# Allegro board 038NC-GRIFFI-V9A_16_20260429.brd (continued)
## Placement (name value [footprint] x y rotation side) (continued)
NOREF#1813  -  []  195.3 82.65 0 top
NOREF#1814  -  []  207.36 268.69 0 top
NOREF#1815  -  []  188.31 138.32 90 top
NOREF#1816  -  []  120.84 164.9 90 top
NOREF#1817  -  []  223.01 240.57 90 top
NOREF#1818  -  []  218.86 139.12 0 top
NOREF#1819  -  []  240.18 205.86 90 top
NOREF#1820  -  []  46.47 173.3 0 top
NOREF#1821  -  []  207.95 83.81 0 top
NOREF#1822  -  []  16.47 225.98 0 top
NOREF#1823  -  []  196.47 288.14 90 top
NOREF#1824  -  []  183.43 240.62 90 top
NOREF#1825  -  []  150.84 300.88 90 top
NOREF#1826  -  []  202.98 286.49 0 top
NOREF#1827  -  []  241.39 171.1 90 top
NOREF#1828  -  []  94.59 185.73 90 top
NOREF#1829  -  []  16.47 301.68 90 top
NOREF#1830  -  []  64.59 183.53 90 top
NOREF#1831  -  []  87.13 165.7 90 top
NOREF#1832  -  []  158.86 173.3 0 top
NOREF#1833  -  []  217.55 203.78 0 top
NOREF#1834  -  []  202.98 188.49 0 top
NOREF#1835  -  []  55.7 258.99 90 top
NOREF#1836  -  []  16.15 123.41 90 top
NOREF#1837  -  []  194.98 283.99 0 top
NOREF#1838  -  []  252.06 167.9 90 top
NOREF#1839  -  []  166.47 290.34 90 top
NOREF#1840  -  []  44.4 120.65 0 top
NOREF#1841  -  []  136.47 188.93 0 top
NOREF#1842  -  []  33.99 389.27 90 top
NOREF#1843  -  []  213.43 300.03 90 top
NOREF#1844  -  []  145.97 179.68 90 top
NOREF#1845  -  []  239.38 269.51 0 top
NOREF#1846  -  []  35.02 225.18 0 top
NOREF#1847  -  []  104.84 106.81 0 top
NOREF#1848  -  []  207.41 300.88 0 top
NOREF#1849  -  []  235.94 234.38 0 top
NOREF#1850  -  []  120.34 206.14 90 top
NOREF#1851  -  []  38.86 142.32 90 top
NOREF#1852  -  []  233.93 231.38 90 top
NOREF#1853  -  []  91.4 307.08 90 top
NOREF#1854  -  []  218.86 292.54 0 top
NOREF#1855  -  []  0 0 90 top
NOREF#1856  -  []  117.13 301.68 90 top
NOREF#1857  -  []  93.41 189.73 0 top
NOREF#1858  -  []  118.37 267.15 315 top
NOREF#1859  -  []  16.47 225.98 90 top
NOREF#1860  -  []  63.61 203.06 0 top
NOREF#1861  -  []  72.06 230.38 90 top
NOREF#1862  -  []  140.43 396.29 0 top
NOREF#1863  -  []  162.06 167.9 90 top
NOREF#1864  -  []  57.82 107.19 0 top
NOREF#1865  -  []  237.41 300.88 0 top
NOREF#1866  -  []  202.56 389.27 90 top
NOREF#1867  -  []  57.36 208.69 0 top
NOREF#1868  -  []  57.13 185.73 90 top
NOREF#1869  -  []  158.86 139.12 90 top
NOREF#1870  -  []  178.44 389.27 90 top
NOREF#1871  -  []  80.48 270.77 0 top
NOREF#1872  -  []  164.56 456.29 90 top
NOREF#1873  -  []  34.6 287.14 90 top
NOREF#1874  -  []  28.53 240.62 90 top
NOREF#1875  -  []  164.98 281.49 90 top
NOREF#1876  -  []  93.43 240.62 90 top
NOREF#1877  -  []  90.84 164.9 90 top
NOREF#1878  -  []  158.86 292.54 0 top
NOREF#1879  -  []  237.13 167.9 90 top
NOREF#1880  -  []  49.67 170.1 90 top
NOREF#1881  -  []  139.67 328.26 90 top
NOREF#1882  -  []  137.21 143.34 90 top
NOREF#1883  -  []  57.13 246.67 90 top
NOREF#1884  -  []  222.06 230.38 90 top
NOREF#1885  -  []  91.4 171.1 90 top
NOREF#1886  -  []  104.84 117.35 0 top
NOREF#1887  -  []  175.8 18.69 90 top
NOREF#1888  -  []  173.93 249.87 0 top
NOREF#1889  -  []  240.84 300.88 90 top
NOREF#1890  -  []  107.99 278.49 0 top
NOREF#1891  -  []  95.02 225.18 0 top
NOREF#1892  -  []  44.99 253.49 90 top
NOREF#1893  -  []  45.06 267.06 90 top
NOREF#1894  -  []  253.01 240.57 90 top
NOREF#1895  -  []  104.99 193.49 90 top
NOREF#1896  -  []  33.26 105.11 0 top
NOREF#1897  -  []  167.21 143.34 90 top
NOREF#1898  -  []  39.04 16.49 0 top
NOREF#1899  -  []  252.06 181.33 90 top
NOREF#1900  -  []  134.98 281.49 90 top
NOREF#1901  -  []  196.47 173.3 0 top
NOREF#1902  -  []  68.39 193.49 45 top
NOREF#1903  -  []  248.39 193.49 45 top
NOREF#1904  -  []  106.47 284.94 0 top
NOREF#1905  -  []  3.61 203.06 0 top
NOREF#1906  -  []  71.02 250.67 0 top
NOREF#1907  -  []  183.61 263.06 0 top
NOREF#1908  -  []  124.59 181.33 90 top
NOREF#1909  -  []  170.73 275.74 0 top
NOREF#1910  -  []  31.4 301.68 0 top
NOREF#1911  -  []  42.06 287.14 90 top
NOREF#1912  -  []  139.67 246.67 90 top
NOREF#1913  -  []  218.86 249.87 0 top
NOREF#1914  -  []  123.43 300.03 90 top
NOREF#1915  -  []  120.67 176.51 90 top
NOREF#1916  -  []  154.31 14.59 90 top
NOREF#1917  -  []  93.41 250.67 0 top
NOREF#1918  -  []  205.97 164.05 90 top
NOREF#1919  -  []  220.89 179.68 90 top
NOREF#1920  -  []  30 300.03 0 top
NOREF#1921  -  []  185.02 300.88 0 top
NOREF#1922  -  []  226.47 188.93 0 top
NOREF#1923  -  []  205.97 179.68 90 top
NOREF#1924  -  []  242.56 17.15 90 top
NOREF#1925  -  []  169.67 183.53 90 top
NOREF#1926  -  []  74.65 82.65 0 top
NOREF#1927  -  []  40.9 237.58 90 top
NOREF#1928  -  []  180.33 266.14 90 top
NOREF#1929  -  []  213.41 293.34 0 top
NOREF#1930  -  []  151.39 171.1 90 top
NOREF#1931  -  []  89.32 208.11 315 top
NOREF#1932  -  []  218.86 173.3 0 top
NOREF#1933  -  []  80.48 210.77 0 top
NOREF#1934  -  []  195.92 284.14 90 top
NOREF#1935  -  []  199.67 185.73 90 top
NOREF#1936  -  []  34.6 284.94 90 top
NOREF#1937  -  []  233.93 225.98 90 top
NOREF#1938  -  []  94.22 115.65 0 top
NOREF#1939  -  []  203.93 173.3 0 top
NOREF#1940  -  []  130.89 179.68 90 top
NOREF#1941  -  []  106.47 231.38 90 top
NOREF#1942  -  []  38.86 173.3 0 top
NOREF#1943  -  []  205.97 240.62 90 top
NOREF#1944  -  []  48.54 392.33 90 top
NOREF#1945  -  []  104.99 283.99 0 top
NOREF#1946  -  []  46.47 225.98 90 top
NOREF#1947  -  []  58.12 389.27 90 top
NOREF#1948  -  []  60.84 164.9 90 top
NOREF#1949  -  []  123.41 174.1 0 top
NOREF#1950  -  []  37.24 259.24 90 top
NOREF#1951  -  []  166.47 301.68 90 top
NOREF#1952  -  []  196.47 229.18 90 top
NOREF#1953  -  []  137.98 196.49 90 top
NOREF#1954  -  []  165.06 267.06 90 top
NOREF#1955  -  []  105.36 110.11 0 top
NOREF#1956  -  []  213.43 164.05 90 top
NOREF#1957  -  []  59.32 208.11 315 top
NOREF#1958  -  []  105.06 263.86 90 top
NOREF#1959  -  []  181.01 206.69 90 top
NOREF#1960  -  []  241.39 292.54 0 top
NOREF#1961  -  []  46.47 335.86 0 top
NOREF#1962  -  []  19.67 167.9 90 top
NOREF#1963  -  []  173.93 188.93 0 top
NOREF#1964  -  []  57.82 107.84 0 top
NOREF#1965  -  []  135.06 263.86 90 top
NOREF#1966  -  []  147.13 301.68 90 top
NOREF#1967  -  []  180.18 205.47 90 top
NOREF#1968  -  []  78.36 179.68 90 top
NOREF#1969  -  []  226.47 225.98 90 top
NOREF#1970  -  []  112.99 226.49 0 top
NOREF#1971  -  []  132.06 181.33 90 top
NOREF#1972  -  []  61.4 292.54 0 top
NOREF#1973  -  []  72.06 167.9 90 top
NOREF#1974  -  []  50.74 215.74 0 top
NOREF#1975  -  []  67.24 199.24 90 top
NOREF#1976  -  []  77.99 278.49 0 top
NOREF#1977  -  []  121.39 165.7 90 top
NOREF#1978  -  []  199.67 167.9 90 top
NOREF#1979  -  []  79.28 18.69 90 top
NOREF#1980  -  []  211.68 19.69 90 top
NOREF#1981  -  []  88.35 267.84 315 top
NOREF#1982  -  []  42.61 174.1 0 top
NOREF#1983  -  []  121.91 17.2 0 top
NOREF#1984  -  []  43.91 456.29 0 top
NOREF#1985  -  []  198.48 174.1 0 top
NOREF#1986  -  []  175.88 237.76 90 top
NOREF#1987  -  []  187.23 199.24 90 top
NOREF#1988  -  []  248.86 301.68 90 top
NOREF#1989  -  []  238.65 206.87 45 top
NOREF#1990  -  []  217.45 392.33 90 top
NOREF#1991  -  []  252.06 244.47 90 top
NOREF#1992  -  []  209.32 268.11 315 top
NOREF#1993  -  []  132.48 225.18 0 top
NOREF#1994  -  []  56.96 268.69 0 top
NOREF#1995  -  []  14.99 281.49 90 top
NOREF#1996  -  []  128.73 110.11 90 top
NOREF#1997  -  []  109.67 170.1 90 top
NOREF#1998  -  []  102.06 225.98 90 top
NOREF#1999  -  []  132.06 289.34 90 top
NOREF#2000  -  []  135.06 267.06 90 top
NOREF#2001  -  []  136.47 304.88 90 top
NOREF#2002  -  []  230.48 210.77 0 top
NOREF#2003  -  []  202.98 226.49 0 top
NOREF#2004  -  []  154.59 246.67 90 top
NOREF#2005  -  []  75.56 104.96 90 top
NOREF#2006  -  []  57.79 209.51 0 top
NOREF#2007  -  []  180.33 206.14 90 top
NOREF#2008  -  []  148.35 267.84 45 top
NOREF#2009  -  []  220.89 240.62 90 top
NOREF#2010  -  []  162.06 244.47 90 top
NOREF#2011  -  []  121.91 17.2 90 top
NOREF#2012  -  []  226.47 249.87 0 top
NOREF#2013  -  []  48.48 174.1 0 top
NOREF#2014  -  []  237.41 138.32 0 top
NOREF#2015  -  []  135.92 300.88 90 top
NOREF#2016  -  []  165.92 225.18 90 top
NOREF#2017  -  []  188.86 173.3 0 top
NOREF#2018  -  []  16.47 188.93 0 top
NOREF#2019  -  []  61.01 206.69 90 top
NOREF#2020  -  []  175.97 164.05 90 top
NOREF#2021  -  []  118.35 267.84 315 top
NOREF#2022  -  []  93.61 263.06 0 top
NOREF#2023  -  []  252.06 242.27 90 top
NOREF#2024  -  []  207.13 244.47 90 top
NOREF#2025  -  []  30.65 236.45 90 top
NOREF#2026  -  []  100.89 224.33 90 top
NOREF#2027  -  []  117.13 181.33 90 top
NOREF#2028  -  []  226.47 173.3 0 top
NOREF#2029  -  []  250.89 239.1 90 top
NOREF#2030  -  []  75.06 207.06 90 top
NOREF#2031  -  []  184.59 230.38 90 top
NOREF#2032  -  []  151.39 165.7 0 top
NOREF#2033  -  []  241.39 165.7 0 top
NOREF#2034  -  []  175.97 179.68 90 top
NOREF#2035  -  []  14.99 283.99 0 top
NOREF#2036  -  []  155.02 300.88 0 top
NOREF#2037  -  []  85.7 258.99 90 top
NOREF#2038  -  []  91.4 301.68 90 top
NOREF#2039  -  []  177.13 246.67 90 top
NOREF#2040  -  []  199.67 170.1 90 top
NOREF#2041  -  []  248.66 177.76 90 top
NOREF#2042  -  []  70.9 239.1 90 top
NOREF#2043  -  []  202.88 14.59 90 top
NOREF#2044  -  []  105.92 284.14 90 top
NOREF#2045  -  []  173.93 229.18 90 top
NOREF#2046  -  []  77.99 256.49 90 top
NOREF#2047  -  []  147.41 138.32 0 top
NOREF#2048  -  []  227.98 196.49 90 top
NOREF#2049  -  []  64.59 246.67 90 top
NOREF#2050  -  []  48.48 189.73 0 top
NOREF#2051  -  []  43.81 238.87 0 top
NOREF#2052  -  []  164.98 283.99 0 top
NOREF#2053  -  []  74.99 250.99 90 top
NOREF#2054  -  []  58.35 267.84 315 top
NOREF#2055  -  []  162.66 107.36 0 top
NOREF#2056  -  []  168.36 164.05 90 top
NOREF#2057  -  []  184.59 183.53 90 top
NOREF#2058  -  []  225.06 267.06 90 top
NOREF#2059  -  []  22.99 188.49 90 top
NOREF#2060  -  []  61.4 171.1 90 top
NOREF#2061  -  []  36 240.62 90 top
NOREF#2062  -  []  147.13 303.88 90 top
NOREF#2063  -  []  104.84 106.81 90 top
NOREF#2064  -  []  226.47 301.68 90 top
NOREF#2065  -  []  211.01 206.29 90 top
NOREF#2066  -  []  60.34 266.14 90 top
NOREF#2067  -  []  79.28 18.69 0 top
NOREF#2068  -  []  224.06 18.69 90 top
NOREF#2069  -  []  247.23 259.24 90 top
NOREF#2070  -  []  125.02 300.88 0 top
NOREF#2071  -  []  27.64 268.84 0 top
NOREF#2072  -  []  72.06 170.1 90 top
NOREF#2073  -  []  135.58 458.49 0 top
NOREF#2074  -  []  81.92 389.27 90 top
NOREF#2075  -  []  115.97 179.68 90 top
NOREF#2076  -  []  64.59 289.34 90 top
NOREF#2077  -  []  235.97 326.61 90 top
NOREF#2078  -  []  23.93 229.18 90 top
NOREF#2079  -  []  172.98 286.49 0 top
NOREF#2080  -  []  50.49 270.77 0 top
NOREF#2081  -  []  13.66 262.21 0 top
NOREF#2082  -  []  58.12 106.87 0 top
NOREF#2083  -  []  72.06 287.14 90 top
NOREF#2084  -  []  42.06 289.34 90 top
NOREF#2085  -  []  55.97 164.05 90 top
NOREF#2086  -  []  192.06 244.47 90 top
NOREF#2087  -  []  153.43 179.68 90 top
NOREF#2088  -  []  218.86 301.68 90 top
NOREF#2089  -  []  121.39 301.68 0 top
NOREF#2090  -  []  171.17 82.65 0 top
NOREF#2091  -  []  68.66 177.76 90 top
NOREF#2092  -  []  49.67 328.26 90 top
NOREF#2093  -  []  108.36 179.68 90 top
NOREF#2094  -  []  119.32 208.11 315 top
NOREF#2095  -  []  57.64 268.84 0 top
NOREF#2096  -  []  184.59 225.98 90 top
NOREF#2097  -  []  192.06 167.9 90 top
NOREF#2098  -  []  76.47 304.88 90 top
NOREF#2099  -  []  178.35 267.84 315 top
NOREF#2100  -  []  108.36 164.05 90 top
NOREF#2101  -  []  211.39 304.88 90 top
NOREF#2102  -  []  132.06 287.14 90 top
NOREF#2103  -  []  42.06 170.1 90 top
NOREF#2104  -  []  49.67 330.46 90 top
NOREF#2105  -  []  139.67 167.9 90 top
NOREF#2106  -  []  224.98 281.49 90 top
NOREF#2107  -  []  214.59 289.34 90 top
NOREF#2108  -  []  145.94 189.73 0 top
NOREF#2109  -  []  31.4 301.68 90 top
NOREF#2110  -  []  92.17 456.29 90 top
NOREF#2111  -  []  70.89 179.68 90 top
NOREF#2112  -  []  49.52 17.15 90 top
NOREF#2113  -  []  175.94 189.73 0 top
NOREF#2114  -  []  224.98 223.99 0 top
NOREF#2115  -  []  138.36 179.68 90 top
NOREF#2116  -  []  46.47 284.94 0 top
NOREF#2117  -  []  118.65 206.87 45 top
NOREF#2118  -  []  222.06 225.98 90 top
NOREF#2119  -  []  49.67 183.53 90 top
NOREF#2120  -  []  92.16 20.69 90 top
NOREF#2121  -  []  71.03 112.93 0 top
NOREF#2122  -  []  229.67 185.73 90 top
NOREF#2123  -  []  117.13 246.67 90 top
NOREF#2124  -  []  225.06 203.86 90 top
NOREF#2125  -  []  218.86 144.52 90 top
NOREF#2126  -  []  127.53 113.67 0 top
NOREF#2127  -  []  103.01 240.57 90 top
NOREF#2128  -  []  61.4 165.7 0 top
NOREF#2129  -  []  149.43 456.29 0 top
NOREF#2130  -  []  188.69 456.29 0 top
NOREF#2131  -  []  66.45 115.65 0 top
NOREF#2132  -  []  60.34 206.14 90 top
NOREF#2133  -  []  162.06 246.67 90 top
NOREF#2134  -  []  217.36 333.84 90 top
NOREF#2135  -  []  76.47 284.94 0 top
NOREF#2136  -  []  91.16 295.41 90 top
NOREF#2137  -  []  166.47 307.08 90 top
NOREF#2138  -  []  143.38 225.18 90 top
NOREF#2139  -  []  151.39 165.7 90 top
NOREF#2140  -  []  109.67 181.33 90 top
NOREF#2141  -  []  142.98 248.49 0 top
NOREF#2142  -  []  33.43 179.68 90 top
NOREF#2143  -  []  150.18 265.47 90 top
NOREF#2144  -  []  248.31 300.88 90 top
NOREF#2145  -  []  240.33 266.14 90 top
NOREF#2146  -  []  115.88 237.76 90 top
NOREF#2147  -  []  68.86 144.52 90 top
NOREF#2148  -  []  20.49 210.77 0 top
NOREF#2149  -  []  83.93 288.14 90 top
NOREF#2150  -  []  192.38 113.28 90 top
NOREF#2151  -  []  202.98 188.49 90 top
NOREF#2152  -  []  153.43 240.62 90 top
NOREF#2153  -  []  195.06 267.06 90 top
NOREF#2154  -  []  25.39 17.15 0 top
NOREF#2155  -  []  113.93 188.93 0 top
NOREF#2156  -  []  198.48 250.67 0 top
NOREF#2157  -  []  127.23 259.24 90 top
NOREF#2158  -  []  41.02 250.67 0 top
NOREF#2159  -  []  177.13 244.47 90 top
NOREF#2160  -  []  63.18 16.49 0 top
NOREF#2161  -  []  97.78 17.2 0 top
NOREF#2162  -  []  130.89 283.29 90 top
NOREF#2163  -  []  88.37 267.15 315 top
NOREF#2164  -  []  131.02 189.73 0 top
NOREF#2165  -  []  166.47 304.88 90 top
NOREF#2166  -  []  188.39 193.49 45 top
NOREF#2167  -  []  195.06 207.06 90 top
NOREF#2168  -  []  160.9 239.1 90 top
NOREF#2169  -  []  79.94 300.88 0 top
NOREF#2170  -  []  22.99 248.49 0 top
NOREF#2171  -  []  76.47 284.94 90 top
NOREF#2172  -  []  83.93 173.3 0 top
NOREF#2173  -  []  72.06 246.67 90 top
NOREF#2174  -  []  178.35 267.84 45 top
NOREF#2175  -  []  165.06 207.06 90 top
NOREF#2176  -  []  34.6 246.67 90 top
NOREF#2177  -  []  68.39 253.49 45 top
NOREF#2178  -  []  31.4 171.1 90 top
NOREF#2179  -  []  17.53 452.29 90 top
NOREF#2180  -  []  241.01 266.69 90 top
NOREF#2181  -  []  237.36 268.69 0 top
NOREF#2182  -  []  124.59 183.53 90 top
NOREF#2183  -  []  75.06 203.86 0 top
NOREF#2184  -  []  162.06 181.33 90 top
NOREF#2185  -  []  68.86 139.12 0 top
NOREF#2186  -  []  241.39 301.68 0 top
NOREF#2187  -  []  132.06 246.67 90 top
NOREF#2188  -  []  181.39 301.68 0 top
NOREF#2189  -  []  115.94 234.38 0 top
NOREF#2190  -  []  237.13 165.7 90 top
NOREF#2191  -  []  143.93 284.94 90 top
NOREF#2192  -  []  202.98 248.49 90 top
NOREF#2193  -  []  101.02 189.73 0 top
NOREF#2194  -  []  31.01 266.29 90 top
NOREF#2195  -  []  142.98 188.49 90 top
NOREF#2196  -  []  208.35 267.84 45 top
NOREF#2197  -  []  241.16 295.41 90 top
NOREF#2198  -  []  53.38 284.14 90 top
NOREF#2199  -  []  207.78 269.51 0 top
NOREF#2200  -  []  149.39 209.51 0 top
NOREF#2201  -  []  248.86 307.08 90 top
NOREF#2202  -  []  222.06 242.27 90 top
NOREF#2203  -  []  203.93 290.34 90 top
NOREF#2204  -  []  236.95 396.29 0 top
NOREF#2205  -  []  252.06 228.18 90 top
NPM1212-GRIFFI  REF-CODE-CHIP  [CHIP_CODE]  129.78 486.39 0 top
NPM1212-QFN28-P0.4  REF-CODE-CHIP  [CHIP_CODE]  130.39 486.39 0 top
R7  20K-1-S2  [R0201]  58.42 108.17 0 bottom
R8  20K-1-S2  [R0201]  58.42 107.52 0 bottom
R9  20K-1-S2  [R0201]  58.42 106.22 0 bottom
R10  20K-1-S2  [R0201]  58.42 106.87 0 bottom
R21  10K-1-S4  [R0402]  126.36 108.34 90 bottom
R22  0-1-S4-YA  [R0402]  125.14 112.15 270 bottom
R23  0-1-S4-YA  [R0402]  125.01 108.34 270 bottom
R24  0-1-S4-YA  [R0402]  125.86 110.11 180 bottom
R376  118-1-S2-YA  [R0201]  173.06 106.73 0 bottom
R378  365-1-S4  [R0402]  186.82 105.63 180 bottom
R381  750-1-S4  [R0402]  172.86 105.74 180 bottom
R382  75-1-S4  [R0402]  172.86 104.32 0 bottom
R383  121-1-S4  [R0402]  186.82 106.94 0 bottom
REG1_P3V3  TP01  [TP_040_T]  75.57 101.6 0 top
REG1_P_5V  TP01  [TP_040_T]  197.21 118.36 0 top
REG1_P_10V  TP01  [TP_040_T]  162.85 118.34 0 top
RLY_5V1  LDG-2-S8  [LED_0805]  27.31 126.05 90 top
SDUP5V1  TP01  [TP_040_T]  85.73 112.86 270 top
SDUP15V1  TP01  [TP_040_T]  156.86 119.76 0 top
SITE1  NPM1212-QFN28-P0.4  [SK_QFN4X4_56P_0P4MM_GRIFFI]  28.99 267.49 0 top
SITE2  NPM1212-QFN28-P0.4  [SK_QFN4X4_56P_0P4MM_GRIFFI]  28.99 207.49 0 top
SITE3  NPM1212-QFN28-P0.4  [SK_QFN4X4_56P_0P4MM_GRIFFI]  58.99 267.49 0 top
SITE4  NPM1212-QFN28-P0.4  [SK_QFN4X4_56P_0P4MM_GRIFFI]  58.99 207.49 0 top
SITE5  NPM1212-QFN28-P0.4  [SK_QFN4X4_56P_0P4MM_GRIFFI]  88.99 267.49 0 top
SITE6  NPM1212-QFN28-P0.4  [SK_QFN4X4_56P_0P4MM_GRIFFI]  88.99 207.49 0 top
SITE7  NPM1212-QFN28-P0.4  [SK_QFN4X4_56P_0P4MM_GRIFFI]  118.99 267.49 0 top
SITE8  NPM1212-QFN28-P0.4  [SK_QFN4X4_56P_0P4MM_GRIFFI]  118.99 207.49 0 top
SITE9  NPM1212-QFN28-P0.4  [SK_QFN4X4_56P_0P4MM_GRIFFI]  148.98 267.49 0 top
SITE10  NPM1212-QFN28-P0.4  [SK_QFN4X4_56P_0P4MM_GRIFFI]  148.98 207.49 0 top
SITE11  NPM1212-QFN28-P0.4  [SK_QFN4X4_56P_0P4MM_GRIFFI]  178.98 267.49 0 top
SITE12  NPM1212-QFN28-P0.4  [SK_QFN4X4_56P_0P4MM_GRIFFI]  178.98 207.49 0 top
SITE13  NPM1212-QFN28-P0.4  [SK_QFN4X4_56P_0P4MM_GRIFFI]  208.98 267.49 0 top
SITE14  NPM1212-QFN28-P0.4  [SK_QFN4X4_56P_0P4MM_GRIFFI]  208.98 207.49 0 top
SITE15  NPM1212-QFN28-P0.4  [SK_QFN4X4_56P_0P4MM_GRIFFI]  238.98 267.49 0 top
SITE16  NPM1212-QFN28-P0.4  [SK_QFN4X4_56P_0P4MM_GRIFFI]  238.98 207.49 0 top
SLOT0  DIAMONDX_SLOT0_SDU2  [PG_LTXDX_F_X1_SDU2_SL00_V3]  133.99 237.49 0 top
SLOT1  DIAMONDX_X1_DUT  [PG_LTXDX_F_X1_PG400ND_SL01_V3]  133.99 237.49 0 top
SLOT2  DIAMONDX_X1_DUT  [PG_LTXDX_F_X1_PG400ND_SL02_V3]  133.99 237.49 0 top
SLOT3  DIAMONDX_SLOT3_GX1X  [PG_LTXDX_F_X1_GX1X_SL03_V2]  133.99 237.49 0 top
SLOT4  DIAMONDX_SLOT4_GX1X  [PG_LTXDX_F_X1_GX1X_SL04]  133.99 237.49 0 top
SLOT5  DIAMONDX_X1_DUT  [PG_LTXDX_F_X1_PG400ND_SL05_V3]  133.99 237.49 0 top
SLOT6  DIAMONDX_SLOT6_PMVIX  [PG_LTXDX_F_X1_PMVIX_SL06]  133.99 237.49 0 top
SLOT7  DIAMONDX_SLOT7_PMVIX  [PG_LTXDX_F_X1_PMVIX_SL07]  133.99 237.49 0 top
SLOT8  DIAMONDX_SLOT8_PMVIX  [PG_LTXDX_F_X1_PMVIX_SL08]  133.99 237.49 0 top
SLOT9  DIAMONDX_SLOT9_PMVIX  [PG_LTXDX_F_X1_PMVIX_SL09]  133.99 237.49 0 top
SLOT10  DIAMONDX_SLOT10_HDVI  [PG_LTXDX_F_X1_HDVI_SL10_V3]  133.99 237.49 0 top
SLOT11  DIAMONDX_X1_DUT  [PG_LTXDX_F_X1_PG400ND_SL11_V3]  133.99 237.49 0 top
SLOT12  DIAMONDX_X1_DUT  [PG_LTXDX_F_X1_PG400ND_SL12_V3]  133.99 237.49 0 top
SLOT13  DIAMONDX_SLOT13_HDVI  [PG_LTXDX_F_X1_HDVI_SL13_V3]  133.99 237.49 0 top
SLOT14  DIAMONDX_X1_DUT  [PG_LTXDX_F_X1_PG400ND_SL14_V3]  133.99 237.49 0 top
SLOT15  DIAMONDX_X1_DUT  [PG_LTXDX_F_X1_PG400ND_SL15_V3]  133.99 237.49 0 top
SLOT16  DIAMONDX_X1_DUT  [PG_LTXDX_F_X1_PG400ND_SL16_V3]  133.99 237.49 0 top
SLOT17  DIAMONDX_SLOT17_GX1X  [PG_LTXDX_F_X1_GX1_SL17_V2]  133.99 237.49 0 top
SLOT18  DIAMONDX_X1_DUT  [PG_LTXDX_F_X1_PG400ND_SL18_V3]  133.99 237.49 0 top
SLOT19  DIAMONDX_SLOT19_GX1X  [PG_LTXDX_F_X1_GX1_SL19_V2]  133.99 237.49 0 top
T_+15V  TP01  [TP_040_T]  142.22 125.73 0 top
T_-15V  TP01  [TP_040_T]  47.14 115.57 0 top
T_RLY_5V  TP01  [TP_040_T]  47.14 126.11 0 top
T_USER_5V  TP01  [TP_040_T]  75.08 126.11 0 top
T_USER_12V  TP01  [TP_040_T]  112.22 125.73 0 top
T_USER_-5V  TP01  [TP_040_T]  115.7 107.98 0 top
TP_EEP_GND  TP01  [TP_040_T]  141.91 106.68 0 top
TP_EPP_SCLK  TP01  [TP_040_T]  122.15 111.51 0 top
TP_EPP_SCLK_DGND1  TP01  [TP_040_T]  141.91 110.49 0 top
TP_EPP_SDA  TP01  [TP_040_T]  122.1 107.98 0 top
TP_EPP_SDA_DGND1  TP01  [TP_040_T]  141.91 102.87 0 top
TP_EPP_VCC  TP01  [TP_040_T]  126.37 105.28 0 top
TP_EPP_VCC_DGND1  TP01  [TP_040_T]  141.91 114.3 0 top
TP_REG1_P3V3  TP01  [TP_040_T]  79.94 105.41 0 top
TP_REG1_P_5V_DGND  TP01  [TP_040_T]  177.17 101.75 0 top
TP_REG1_P_10V_DGND  TP01  [TP_040_T]  172.09 101.75 0 top
TP_SDUP5V1  TP01  [TP_040_T]  85.73 109.47 270 top
TP_SDUP15V1  TP01  [TP_040_T]  156.86 116.33 0 top
TP_USER_GND1  TP01  [TP_040_T]  63.02 111.58 90 top
TP_USER_SCLK1  TP01  [TP_040_T]  68.1 101.42 0 top
TP_USER_SCLK1_DGND1  TP01  [TP_040_T]  68.1 106.5 0 top
TP_USER_SDA1  TP01  [TP_040_T]  58.72 111.58 0 top
TP_USER_SDA1_DGND1  TP01  [TP_040_T]  68.1 111.58 0 top
U4  ADT7420UCPZ-LFCSP16  [LFCSP16_0P65MM_G]  63.02 105.23 180 top
U6  AT24C512C-SSHM-T-SOIC8  [SO8_206X127MM]  131.34 110.74 180 bottom
U44  ADP151AUJZ-0.2A-33-TSOT23-5  [TSOT23-5]  76.51 108.28 180 bottom
U46  LM1086-1.5A-A-TO263-1  [TO263_3]  171.81 115.93 180 bottom
U47  LM1086-1.5A-A-TO263-1  [TO263_3]  184.79 115.95 180 bottom
UNK0BS1  SHORT  [DEFAULT_SHORT_SMALL]  33.48 57.25 90 top
UNK0BS2  SHORT  [DEFAULT_SHORT_SMALL]  27.31 103.38 270 top
UNK1C1  1U-6.3-X7R-S6-MU  [C0603]  38.61 334.69 270 bottom
UNK1C2  2.2U-25-X8R-SA-TDK  [C1206]  29.52 237.92 90 bottom
UNK1C3  10U-6.3-X7R-S6-SS  [C0603]  27.13 238.61 270 bottom
UNK1C4  2.2U-25-X8R-SA-TDK  [C1206]  19.67 237.92 90 bottom
UNK1C5  2.2U-25-X8R-SA-TDK  [C1206]  16.47 237.92 270 bottom
UNK1C6  4.7U-6.3-X-S6  [C0603]  44.26 241.42 270 bottom
UNK1C7  0.1U-25-X7R-S6-YA  [C0603]  42.25 297.61 0 bottom
UNK1C8  1U-50-X7R-S6-TY  [C0603]  42.25 296.09 0 bottom
UNK1C9  0.1U-25-X7R-S6-YA  [C0603]  32.41 296.26 270 bottom
UNK1C12  2.2U-25-X8R-SA-TDK  [C1206]  30.99 334.29 270 bottom
UNK1CS1  CNC-S4  [C0402]  22.12 271.3 180 bottom
UNK1CS4  CNC-S4  [C0402]  22.12 266.86 0 bottom
UNK1CS5  CNC-S4  [C0402]  22.12 265.38 0 bottom
UNK1CS19  CNC-S4  [C0402]  35.85 266.81 0 bottom
UNK1CS20  CNC-S4  [C0402]  35.85 268.29 0 bottom
UNK1CS21  CNC-S4  [C0402]  35.85 269.77 0 bottom
UNK1CS22  CNC-S4  [C0402]  34.91 274.28 90 bottom
UNK1CS23  CNC-S4  [C0402]  33.43 274.28 90 bottom
UNK1CS25  CNC-S4  [C0402]  28.99 274.28 90 bottom
UNK1CS26  CNC-S4  [C0402]  27.5 274.28 270 bottom
UNK1CS27  CNC-S4  [C0402]  26.02 274.28 270 bottom
UNK1CS28  CNC-S4  [C0402]  24.54 274.28 90 bottom
UNK1K1  UA2-12NJ-V2  [RL_NECUA2_12V_V2]  33 246.27 90 bottom
UNK1K2  UA2-12NJ-V2  [RL_NECUA2_12V_V2]  25.53 246.27 90 bottom
UNK1K3  UA2-12NJ-V2  [RL_NECUA2_12V_V2]  16.66 267.46 270 bottom
UNK1K4  UA2-12NJ-V2  [RL_NECUA2_12V_V2]  33 305.28 270 bottom
UNK1K5  UA2-12NJ-V2  [RL_NECUA2_12V_V2]  40.46 305.28 270 bottom
UNK1K6  UA2-12NJ-V2  [RL_NECUA2_12V_V2]  25.53 305.68 90 bottom
UNK1K7  UA2-12NJ-V2  [RL_NECUA2_12V_V2]  18.07 305.28 270 bottom
UNK1K8  UA2-12NJ-V2  [RL_NECUA2_12V_V2]  18.07 246.27 90 bottom
UNK1K9  UA2-12NJ-V2  [RL_NECUA2_12V_V2]  18.07 332.26 90 bottom
UNK1K10  UA2-12NJ-V2  [RL_NECUA2_12V_V2]  33 288.94 90 bottom
UNK1K11  UA2-12NJ-V2  [RL_NECUA2_12V_V2]  40.46 246.27 90 bottom
UNK1K12  UA2-12NJ-V2  [RL_NECUA2_12V_V2]  40.46 288.94 90 bottom
UNK1K13  UA2-12NJ-V2  [RL_NECUA2_12V_V2]  18.07 288.54 270 bottom
UNK1K14  UA2-12NJ-V2  [RL_NECUA2_12V_V2]  25.53 288.54 270 bottom
UNK1R1  4.7K-1-S4-WA  [R0402]  16.51 261.49 180 bottom
UNK1R2  3.01K-0.1-S4-PAN  [R0402]  36.73 308.78 270 bottom
UNK1R3  10K-0.1-S4  [R0402]  29.26 301.18 270 bottom
UNK1R7  1K-1-S4  [R0402]  16.75 325.55 180 bottom
UNK1R8  1K-1-S4  [R0402]  19.39 325.55 0 bottom
UNK1R13  0-5-S4  [R0402]  36.96 476.38 0 top
UNK1R14  0-5-S4  [R0402]  39.5 476.38 0 top
UNK1R41  24K-0.1-S4  [R0402]  14.26 308.78 270 bottom
UNK1R42  44.2K-0.1-S4-PAN  [R0402]  14.26 306.58 270 bottom
UNK1RS1  0-5-S4  [R0402]  22.12 268.34 0 bottom
UNK1RS2  NC/0-5-S4  [R0402]  30.47 274.28 270 bottom
UNK1RS3  NC/0-5-S4  [R0402]  22.12 269.82 0 bottom
UNK1RS4  0-5-S4  [R0402]  31.95 274.28 270 bottom
UNK1RS5  0-5-S4  [R0402]  30.96 276.2 0 bottom
UNK1SH2  SHORT  [DEFAULT_SHORT_SMALL]  45.52 478.27 270 top
UNK1SH7  SHORT  [DEFAULT_SHORT_SMALL]  47.78 480.26 270 top
UNK1SH9  SHORT  [DEFAULT_SHORT_SMALL]  55.5 481.08 270 top
UNK1SH14  SHORT  [DEFAULT_SHORT_SMALL]  57.79 481.33 270 top
UNK1SH16  SHORT  [DEFAULT_SHORT_SMALL]  54.23 478.15 0 top
UNK1SH20  SHORT  [DEFAULT_SHORT_SMALL]  49.64 479.77 270 top
UNK1SH29  SHORT  [DEFAULT_SHORT_SMALL]  53.54 481.04 270 top
UNK1SH30  SHORT  [DEFAULT_SHORT_SMALL]  50.93 478.28 270 top
UNK1SH32  SHORT  [DEFAULT_SHORT_SMALL]  62.12 480.85 0 top
UNK1SH33  SHORT  [DEFAULT_SHORT_SMALL]  64.32 480.85 0 top
UNK1SH34  SHORT  [DEFAULT_SHORT_SMALL]  66.53 480.85 0 top
UNK1SH35  SHORT  [DEFAULT_SHORT_SMALL]  20.6 268.55 270 top
UNK1SH36  SHORT  [DEFAULT_SHORT_SMALL]  19.71 268.55 270 top
UNK1SH37  SHORT  [DEFAULT_SHORT_SMALL]  37.85 270.51 270 top
UNK1SH38  SHORT  [DEFAULT_SHORT_SMALL]  39.04 270.51 270 top
UNK1SH39  SHORT  [DEFAULT_SHORT_SMALL]  57.66 478.79 0 top
UNK1SH40  SHORT  [DEFAULT_SHORT_SMALL]  14.38 330.96 270 top
UNK1SH41  SHORT  [DEFAULT_SHORT_SMALL]  21.77 330.96 270 top
UNK1TP_AVSS2/TST  TP01  [TP_040_T]  13.84 274.45 0 top
UNK1TP_GPIO0  TP01  [TP_040_T]  16.57 295.94 90 top
UNK1TP_GPIO1  TP01  [TP_040_T]  16.57 298.48 270 top
UNK1TP_GPIO2  TP01  [TP_040_T]  29.27 295.94 0 top
UNK1TP_GPIO3  TP01  [TP_040_T]  29.27 298.48 270 top
